# Altium PCB PCB.PcbDoc (part 3 of 10)
Units mil, origin at the board's own origin, x right, y up, seen from the top; angles counter-clockwise.
Board outline 4370.08 x 4921.26 mil, 6 copper layers (Component Side, Ground Plane I, Signal Layer 1, Power Plane, Ground Plane II, Solder Side), stack 57.638 mil thick; 274 components, 415 nets, 1726 pads, 902 vias.
Unrouted connection lines stored in the file: 2.
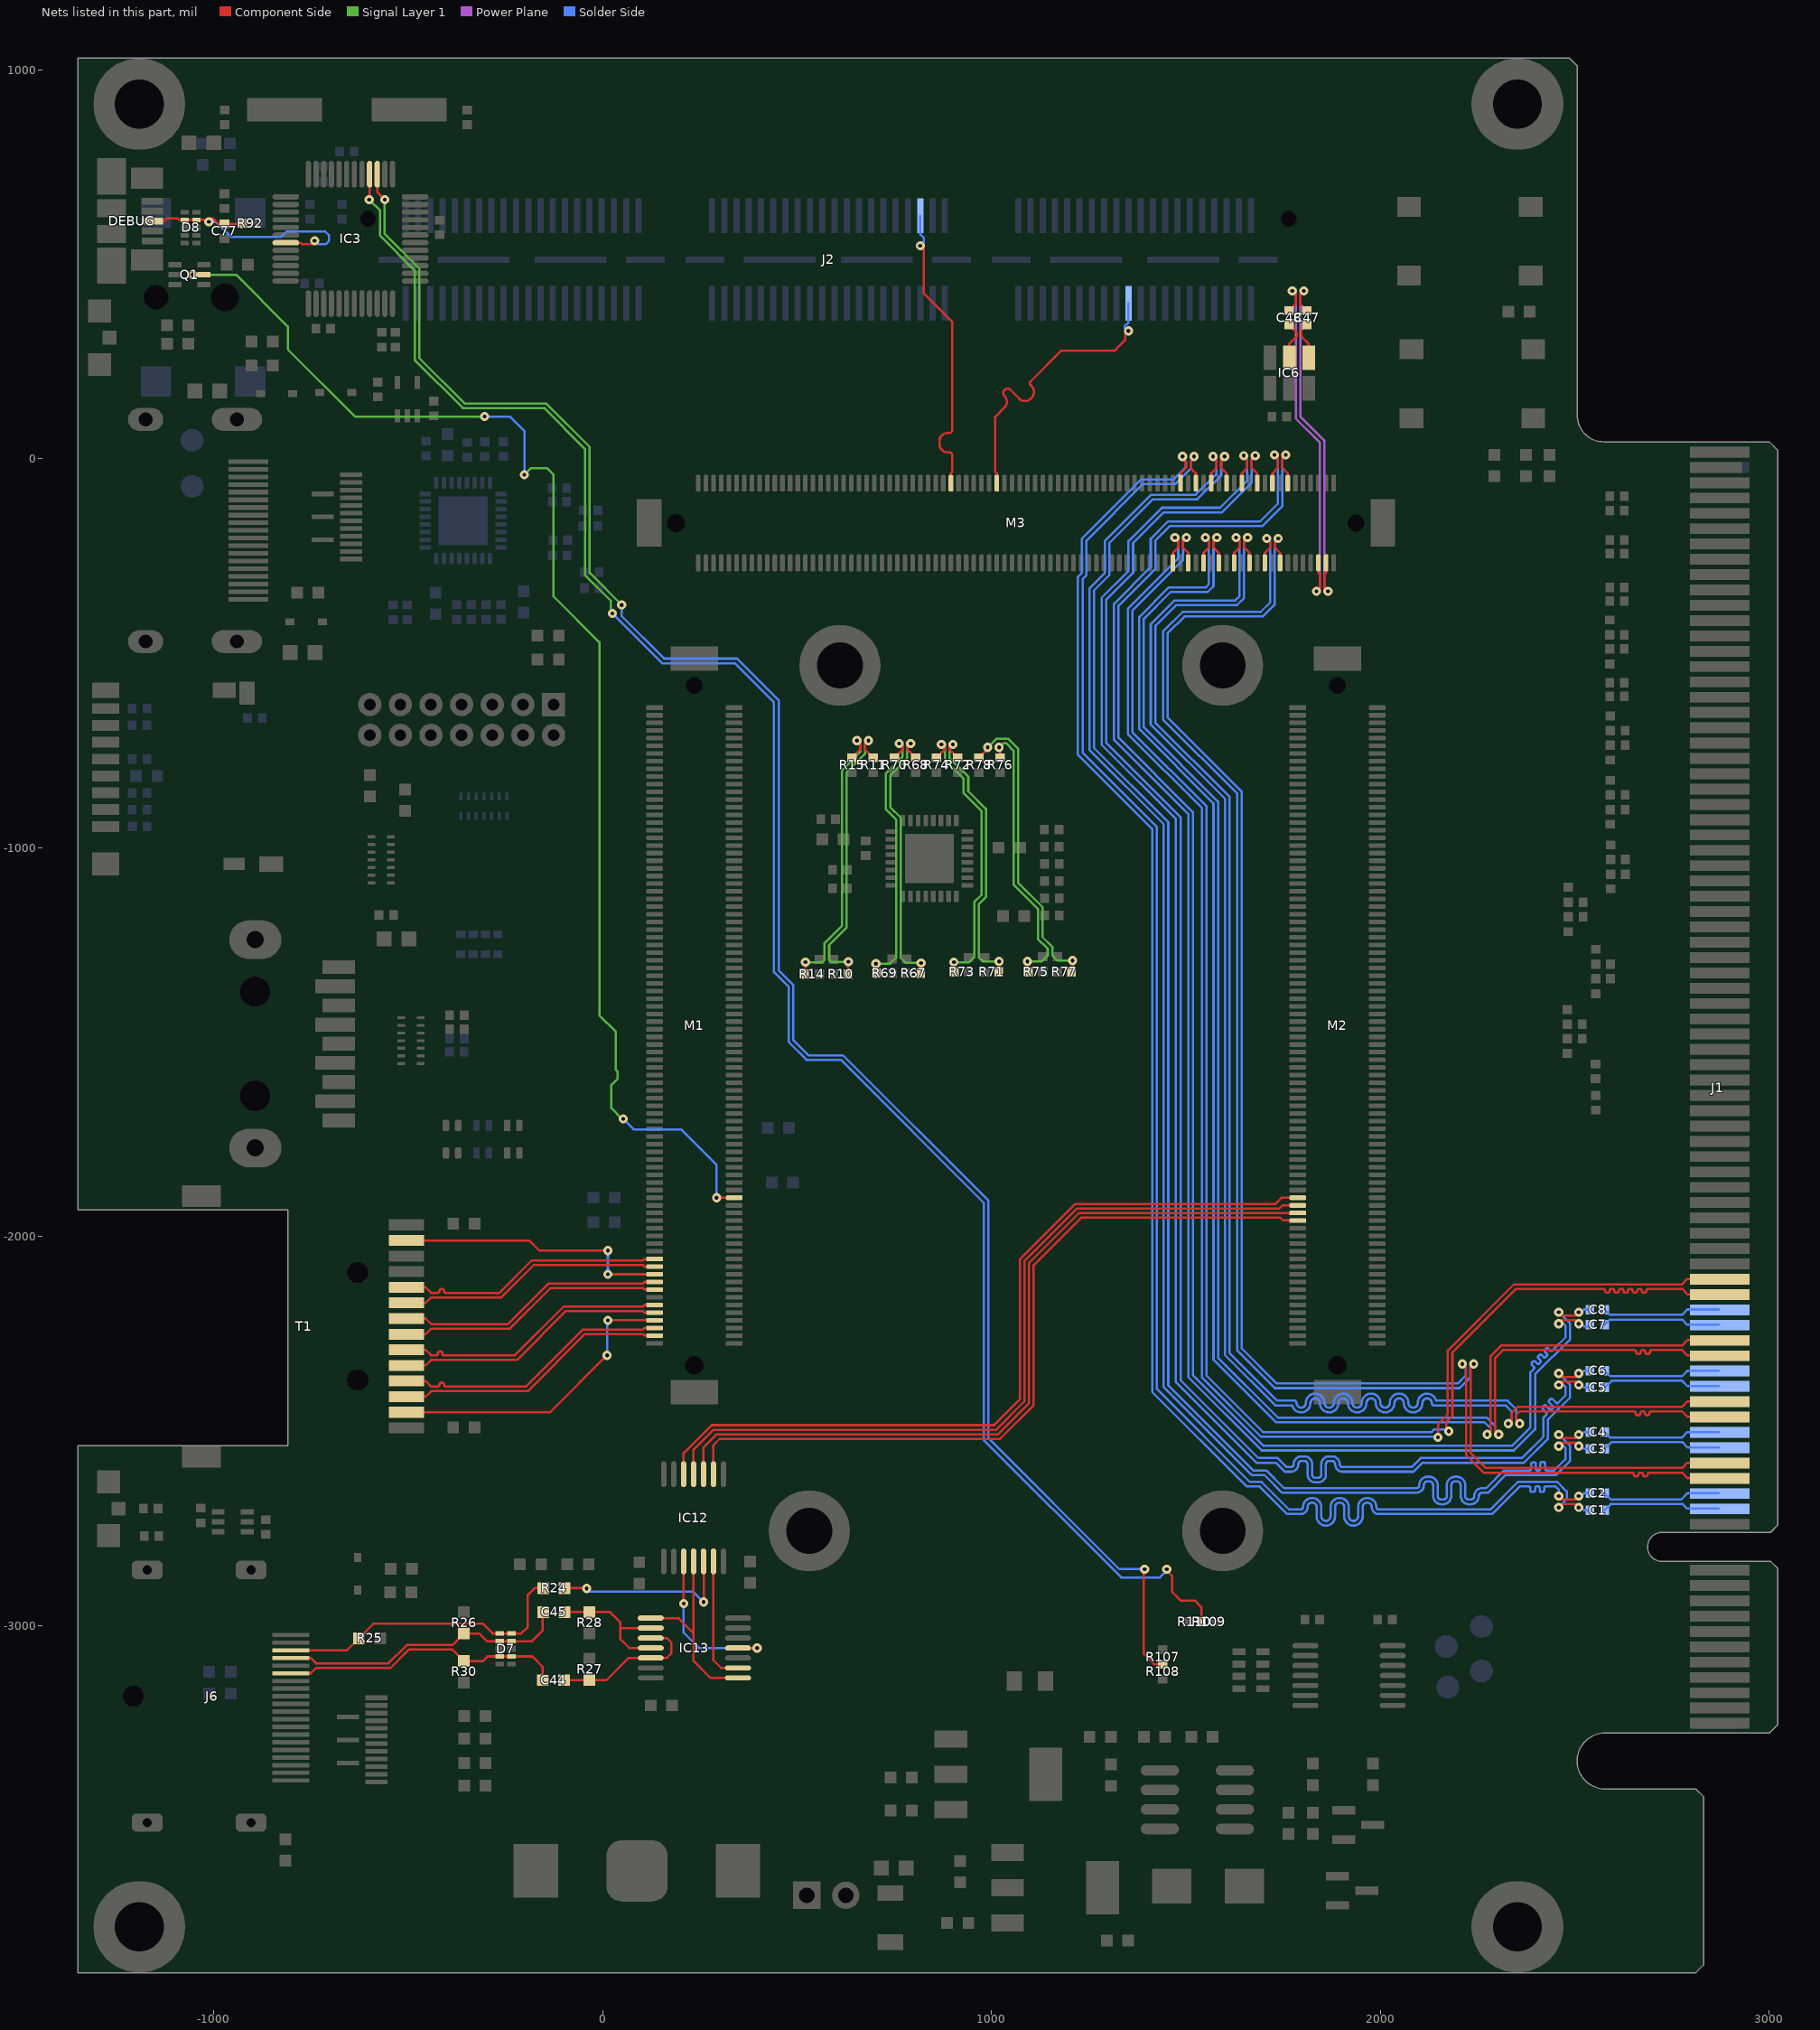
[diagram p7: the nets of this part, all layers, seen from the top]

## Via types
v1: diameter 23.62, hole 9.84, Component Side to Solder Side, 902 vias

## Nets (pads, with @x,y where several pads share a name; then routed paths per layer and width w, separated by ;. In a path a pad name is that pad's centre, name@x,y a point inside that pad or via, vN(x,y) a via of type N, cw(c..) or ccw(c..) an arc to the next point about the centre after c; other vN are vias at no path point) (continued)
DEBUG_USB_D_P: C77.2 D8.4 DEBUG.3 IC3.7 R92.1 | length 714.2
  Component Side w5.91: DEBUG.3@-1157.28,611 -1126.67,611 -1119.78,617.89 -1092.87,617.89 -1088.67,613.69 D8.4@-1074.16,613.69 D8.4@-1043.84,613.69 -1029.67,613.69 -1028.76,614.59 -1012,614.59 -1009,617.59 -1001.37,617.59 -987.67,603.9 C77.2@-972,603.9 R92.1@-926,603.9 ; IC3.7@-814.34,555.16 -776.67,555.16 -772.73,551.22 -745,551.22 v1@-740.11,556.11
  Solder Side w5.91: v1(-1012,608.74) -993.54,608.74 -954.99,570.19 -826.11,570.19 -812.3,584 -713,584 -703,574 -703,560.22 -712,551.22 -731.25,551.22 v1(-740.11,560.08)
DONE: M1.130 Q1.2 | length 3449.3
  Component Side w5.91: v1(-1054,473) Q1.2@-1024.6,473 ; v1(293.31,-1899.61) M1.130@338.58,-1899.61
  Signal Layer 1 w5.91: v1(-1054,473) -942.32,473 -809,339.69 -809,281 -636.27,108.27 v1(-303.15,108.27) ; v1(-200.79,-41.34) -183.45,-24 -143,-24 -125.81,-41.19 -125.81,-354.19 -8,-472 -8,-1430.7 34.45,-1473.15 34.45,-1571.51 39.02,-1576.08 39.02,-1593.21 22.64,-1609.59 22.64,-1669.64 49.85,-1696.85 v1(53.15,-1696.85)
  Solder Side w5.91: v1(-303.15,108.27) -238.19,108.27 -200.79,70.87 v1(-200.79,-41.34) ; v1(53.15,-1696.85) 80.71,-1724.41 202.76,-1724.41 293.31,-1814.96 v1(293.31,-1899.61)
DP0_C2M_N: C8.2 M3.17 | length 4284.9
  Component Side w5.91: M3.17@1722.44,-62.99 1722.44,-37.41 1736.22,-23.63 1736.22,5.91 1732.28,9.84 v1(1727.36,9.84) ; v1(2458.66,-2193.9) 2467.52,-2202.76 2500.98,-2202.76 v1(2509.84,-2193.9)
  Solder Side w5.91: v1(1727.36,9.84) 1736.22,0.98 1736.22,-116.14 1690.94,-161.42 1453.77,-161.42 1409.45,-205.74 1409.45,-278.57 1314.96,-373.06 1314.96,-722.32 1505.91,-913.27 1505.91,-2360.54 1694.58,-2549.21 2108.27,-2549.21 2343.35,-2549.21 2397.64,-2494.92 2397.64,-2353.32 2487.71,-2263.24 2487.71,-2222.95 v1(2458.66,-2193.9) ; v1(2509.84,-2193.9) 2516.71,-2193.9 2523.6,-2187.01 C8.2@2538.98,-2187.01
DP0_C2M_P: C7.2 M3.13 | length 4283.8
  Component Side w5.91: v1(1756.89,9.84) 1751.97,9.84 1748.03,5.91 1748.03,-23.63 1761.81,-37.41 M3.13@1761.81,-62.99 ; v1(2458.66,-2223.43) 2467.52,-2214.57 2500.98,-2214.57 v1(2509.84,-2223.43)
  Solder Side w5.91: v1(1756.89,9.84) 1748.03,0.98 1748.03,-121.03 1695.84,-173.23 1458.66,-173.23 1421.26,-210.63 1421.26,-283.46 1326.77,-377.95 1326.77,-717.43 1517.72,-908.38 1517.72,-2355.65 1699.47,-2537.4 2108.27,-2537.4 2338.45,-2537.4 2385.83,-2490.03 2385.83,-2348.43 2394.46,-2339.79 ccw(c2391.54,-2336.87) 2394.46,-2333.94 2389.7,-2329.18 cw(c2392.62,-2326.26) 2389.7,-2323.34 2392.21,-2320.83 cw(c2395.13,-2323.76) 2398.05,-2320.83 2402.81,-2325.59 ccw(c2405.74,-2322.67) 2408.66,-2325.59 2411.16,-2323.09 ccw(c2408.24,-2320.16) 2411.16,-2317.24 2406.4,-2312.48 cw(c2409.33,-2309.56) 2406.4,-2306.63 2408.91,-2304.13 cw(c2411.83,-2307.05) 2414.76,-2304.13 2419.52,-2308.89 ccw(c2422.44,-2305.97) 2425.36,-2308.89 2427.87,-2306.38 ccw(c2424.94,-2303.46) 2427.87,-2300.54 2423.11,-2295.78 cw(c2426.03,-2292.85) 2423.11,-2289.93 2425.61,-2287.43 cw(c2428.54,-2290.35) 2431.46,-2287.43 2436.22,-2292.19 ccw(c2439.14,-2289.26) 2442.07,-2292.19 2475.9,-2258.35 2475.9,-2227.84 v1@2465.07,-2217.01 ; v1(2509.84,-2223.43) 2516.71,-2223.43 2523.6,-2230.31 C7.2@2538.98,-2230.31
DP0_C_N: C8.1 J1.A26 | length 304.7
  Solder Side w5.91: C8.1@2576.77,-2187.01 2590.55,-2200.79 2775.56,-2200.79 2789.34,-2187.01 J1.A26@2870.08,-2187.01
DP0_C_P: C7.1 J1.A25 | length 304.7
  Solder Side w5.91: C7.1@2576.77,-2226.38 2590.55,-2212.6 2775.56,-2212.6 2789.34,-2226.38 J1.A25@2870.08,-2226.38
DP0_M2C_N: J1.B16 M3.20 | length 4054.9
  Component Side w5.91: M3.20@1702.76,-267.72 1702.76,-242.14 1716.54,-228.36 1716.54,-213.58 v1(1707.68,-204.72) ; v1(2240,-2327) 2232.28,-2334.72 2232.28,-2556.28 2270.49,-2594.49 2775.56,-2594.49 2789.34,-2580.71 J1.B16@2870.08,-2580.71
  Solder Side w5.91: v1(1707.68,-204.72) 1716.54,-213.58 1716.54,-369.33 1692.17,-393.7 1491.6,-393.7 1440.94,-444.35 1440.94,-670.14 1631.89,-861.09 1631.89,-2292.29 1728.6,-2389 2203.4,-2389 2231.14,-2361.26 2231.14,-2335.86 v1(2240,-2327)
DP0_M2C_P: J1.B15 M3.16 | length 4059.1
  Component Side w5.91: v1(1737.2,-204.72) 1728.35,-213.58 1728.35,-228.36 1742.13,-242.14 M3.16@1742.13,-267.72 ; v1(2210.47,-2327) 2217.01,-2333.54 2217.01,-2334.65 2220.47,-2338.11 2220.47,-2561.18 2265.6,-2606.3 2646.89,-2606.3 cw(c2646.89,-2610.98) 2651.57,-2610.98 ccw(c2656.89,-2610.98) 2656.89,-2616.3 2658.07,-2616.3 ccw(c2658.07,-2610.98) 2663.39,-2610.98 cw(c2668.07,-2610.98) 2668.07,-2606.3 2670.51,-2606.3 cw(c2670.51,-2610.98) 2675.2,-2610.98 ccw(c2680.51,-2610.98) 2680.51,-2616.3 2681.69,-2616.3 ccw(c2681.69,-2610.98) 2687.01,-2610.98 cw(c2691.69,-2610.98) 2691.69,-2606.3 2775.56,-2606.3 2789.34,-2620.08 J1.B15@2870.08,-2620.08
  Solder Side w5.91: v1(1737.2,-204.72) 1728.35,-213.58 1728.35,-374.22 1697.06,-405.51 1496.49,-405.51 1452.76,-449.24 1452.76,-665.25 1643.7,-856.19 1643.7,-2285.43 1643.7,-2287.4 1733.49,-2377.19 2198.51,-2377.19 2219.33,-2356.36 2219.33,-2335.86 v1(2210.47,-2327)
DP1_C2M_N: C6.2 M3.25 | length 4285
  Component Side w5.91: M3.25@1643.7,-62.99 1643.7,-37.41 1657.48,-23.63 1657.48,-0.98 v1(1648.62,7.87) ; v1(2458.66,-2351.38) 2467.52,-2360.24 2500.98,-2360.24 v1(2509.84,-2351.38)
  Solder Side w5.91: v1(1648.62,7.87) 1657.48,-0.98 1657.48,-56.13 1587.63,-125.98 1438.02,-125.98 1352.36,-211.64 1352.36,-288.41 1283.46,-357.31 1283.46,-735.37 1474.41,-926.32 1474.41,-2373.59 1681.53,-2580.71 1731,-2580.71 1754.1,-2603.81 1769.74,-2603.81 ccw(c1769.74,-2584.52) 1789.03,-2584.52 cw(c1797.3,-2584.52) 1797.3,-2576.25 1804.38,-2576.25 cw(c1804.38,-2584.52) 1812.65,-2584.52 1812.65,-2611.29 ccw(c1832.73,-2611.29) 1832.73,-2631.37 1839.82,-2631.37 ccw(c1839.82,-2611.29) 1859.9,-2611.29 1859.9,-2584.52 cw(c1868.16,-2584.52) 1868.16,-2576.25 1875.25,-2576.25 cw(c1875.25,-2584.52) 1883.52,-2584.52 ccw(c1902.81,-2584.52) 1902.81,-2603.81 2085.17,-2603.81 2087.98,-2601 2108.27,-2580.71 2369.07,-2580.71 2431.1,-2518.67 2431.1,-2469.46 2487.71,-2412.85 2487.71,-2380.43 v1(2458.66,-2351.38) ; v1(2509.84,-2351.38) 2516.71,-2351.38 2523.6,-2344.49 C6.2@2538.98,-2344.49
DP1_C2M_P: C5.2 M3.21 | length 4285
  Component Side w5.91: v1(1678.15,7.87) 1669.29,-0.98 1669.29,-23.63 1683.07,-37.41 M3.21@1683.07,-62.99 ; v1(2458.66,-2380.91) 2467.52,-2372.05 2500.98,-2372.05 v1(2509.84,-2380.91)
  Solder Side w5.91: v1(1678.15,7.87) 1669.29,-0.98 1669.29,-61.02 1592.52,-137.8 1442.91,-137.8 1364.17,-216.54 1364.17,-293.31 1295.28,-362.2 1295.28,-730.48 1486.22,-921.42 1486.22,-2368.69 1686.42,-2568.9 1735.89,-2568.9 1758.99,-2592 1769.74,-2592 ccw(c1769.74,-2584.52) 1777.22,-2584.52 cw(c1797.3,-2584.52) 1797.3,-2564.44 1804.38,-2564.44 cw(c1804.38,-2584.52) 1824.46,-2584.52 1824.46,-2611.29 ccw(c1832.73,-2611.29) 1832.73,-2619.56 1839.82,-2619.56 ccw(c1839.82,-2611.29) 1848.08,-2611.29 1848.08,-2584.52 cw(c1868.16,-2584.52) 1868.16,-2564.44 1875.25,-2564.44 cw(c1875.25,-2584.52) 1895.33,-2584.52 ccw(c1902.81,-2584.52) 1902.81,-2592 2080.27,-2592 2103.38,-2568.9 2364.17,-2568.9 2419.29,-2513.78 2419.29,-2464.57 2426.45,-2457.41 ccw(c2423.53,-2454.49) 2426.45,-2451.56 2417.45,-2442.56 cw(c2420.37,-2439.64) 2417.45,-2436.71 2419.95,-2434.21 cw(c2422.88,-2437.13) 2425.8,-2434.21 2434.8,-2443.21 ccw(c2437.72,-2440.29) 2440.65,-2443.21 2443.15,-2440.71 ccw(c2440.23,-2437.78) 2443.15,-2434.86 2434.15,-2425.86 cw(c2437.07,-2422.93) 2434.15,-2420.01 2436.66,-2417.51 cw(c2439.58,-2420.43) 2442.5,-2417.51 2451.5,-2426.51 ccw(c2454.43,-2423.58) 2457.35,-2426.51 2475.9,-2407.96 2475.9,-2385.32 v1@2465.07,-2374.49 ; v1(2509.84,-2380.91) 2516.71,-2380.91 2523.6,-2387.8 C5.2@2538.98,-2387.8
DP1_C_N: C6.1 J1.A22 | length 304.7
  Solder Side w5.91: C6.1@2576.77,-2344.49 2590.55,-2358.27 2775.56,-2358.27 2789.34,-2344.49 J1.A22@2870.08,-2344.49
DP1_C_P: C5.1 J1.A21 | length 306.4
  Solder Side w5.91: C5.1@2576.77,-2387.8 2594.49,-2370.08 2775.56,-2370.08 2789.34,-2383.86 J1.A21@2870.08,-2383.86
DP1_M2C_N: J1.B20 M3.28 | length 4056.4
  Component Side w5.91: M3.28@1624.02,-267.72 1624.02,-242.14 1637.8,-228.36 1637.8,-211.61 v1(1628.94,-202.76) ; v1(2328.74,-2480.31) 2337.6,-2471.46 2337.6,-2452.8 2353.39,-2437.01 2775.56,-2437.01 2789.34,-2423.23 J1.B20@2870.08,-2423.23
  Solder Side w5.91: v1(1628.94,-202.76) 1637.8,-211.61 1637.8,-353.35 1626.97,-364.17 1470.47,-364.17 1409.45,-425.2 1409.45,-683.19 1600.39,-874.13 1600.39,-2304.1 1729.63,-2433.34 1773.08,-2433.34 ccw(c1796.33,-2427.3) 1820.35,-2427.3 cw(c1832.3,-2427.3) 1844.24,-2427.3 ccw(c1868.27,-2427.3) 1892.29,-2427.3 cw(c1904.23,-2427.3) 1916.18,-2427.3 ccw(c1940.2,-2427.3) 1964.23,-2427.3 cw(c1976.17,-2427.3) 1988.12,-2427.3 ccw(c2012.14,-2427.3) 2036.16,-2427.3 cw(c2048.11,-2427.3) 2060.05,-2427.3 ccw(c2084.08,-2427.3) 2108.1,-2427.3 cw(c2120.05,-2427.3) 2131.99,-2427.3 ccw(c2138.03,-2427.3) 2138.03,-2433.34 2322.12,-2433.34 2337.6,-2448.82 2337.6,-2471.46 v1(2328.74,-2480.31)
DP1_M2C_P: J1.B19 M3.24 | length 4059.6
  Component Side w5.91: v1(1658.46,-202.76) 1649.61,-211.61 1649.61,-228.36 1663.39,-242.14 M3.24@1663.39,-267.72 ; v1(2358.27,-2480.31) 2349.41,-2471.46 2349.41,-2457.69 2358.28,-2448.82 2651.7,-2448.82 cw(c2651.7,-2453.5) 2656.38,-2453.5 ccw(c2661.7,-2453.5) 2661.7,-2458.82 2662.88,-2458.82 ccw(c2662.88,-2453.5) 2668.19,-2453.5 cw(c2672.88,-2453.5) 2672.88,-2448.82 2675.32,-2448.82 cw(c2675.32,-2453.5) 2680.01,-2453.5 ccw(c2685.32,-2453.5) 2685.32,-2458.82 2686.5,-2458.82 ccw(c2686.5,-2453.5) 2691.82,-2453.5 cw(c2696.5,-2453.5) 2696.5,-2448.82 2775.56,-2448.82 2789.34,-2462.6 J1.B19@2870.08,-2462.6
  Solder Side w5.91: v1(1658.46,-202.76) 1649.61,-211.61 1649.61,-358.24 1631.86,-375.98 1475.36,-375.98 1421.26,-430.09 1421.26,-678.29 1612.21,-869.24 1612.21,-2299.21 1734.25,-2421.26 1778.34,-2421.26 cw(c1778.34,-2427.3) 1784.38,-2427.3 ccw(c1796.33,-2427.3) 1808.27,-2427.3 cw(c1832.3,-2427.3) 1856.32,-2427.3 ccw(c1868.27,-2427.3) 1880.21,-2427.3 cw(c1904.23,-2427.3) 1928.26,-2427.3 ccw(c1940.2,-2427.3) 1952.15,-2427.3 cw(c1976.17,-2427.3) 2000.2,-2427.3 ccw(c2012.14,-2427.3) 2024.09,-2427.3 cw(c2048.11,-2427.3) 2072.13,-2427.3 ccw(c2084.08,-2427.3) 2096.02,-2427.3 cw(c2120.05,-2427.3) 2143.3,-2421.26 2326.74,-2421.26 2349.41,-2443.93 2349.41,-2471.46 v1(2358.27,-2480.31)
DP2_C2M_N: C4.2 M3.33 | length 4286.6
  Component Side w5.91: M3.33@1564.96,-62.99 1564.96,-37.41 1578.74,-23.63 1578.74,-2.95 v1(1569.88,5.91) ; v1(2458.66,-2508.86) 2467.52,-2517.72 2500.98,-2517.72 v1(2509.84,-2508.86)
  Solder Side w5.91: v1(1569.88,5.91) 1578.74,-2.95 1578.74,-38.41 1524.64,-92.52 1410.46,-92.52 1291.34,-211.64 1291.34,-294.32 1251.97,-333.69 1251.97,-748.42 1442.91,-939.36 1442.91,-2386.63 1668.49,-2612.2 1701.5,-2612.2 1747.28,-2657.99 1795,-2657.99 2092.2,-2657.99 ccw(c2092.2,-2638.5) 2111.69,-2638.5 cw(c2121.73,-2638.5) 2121.73,-2628.46 2125.28,-2628.46 cw(c2125.28,-2638.5) 2135.31,-2638.5 2135.31,-2665.66 ccw(c2157.17,-2665.66) 2157.17,-2687.51 2160.71,-2687.51 ccw(c2160.71,-2665.66) 2182.56,-2665.66 2182.56,-2638.5 cw(c2192.6,-2638.5) 2192.6,-2628.46 2196.14,-2628.46 cw(c2196.14,-2638.5) 2206.18,-2638.5 2206.18,-2665.66 ccw(c2228.03,-2665.66) 2228.03,-2687.51 2231.57,-2687.51 ccw(c2231.57,-2665.66) 2253.43,-2665.66 cw(c2261.1,-2665.66) 2261.1,-2657.99 2276.54,-2657.99 2322.32,-2612.2 2451.74,-2612.2 2487.71,-2576.24 2487.71,-2537.91 v1(2458.66,-2508.86) ; v1(2509.84,-2508.86) 2516.71,-2508.86 2523.6,-2501.97 C4.2@2538.98,-2501.97
DP2_C2M_P: C3.2 M3.29 | length 4286.6
  Component Side w5.91: v1(1599.41,5.91) 1590.55,-2.95 1590.55,-23.63 1604.33,-37.41 M3.29@1604.33,-62.99 ; v1(2458.66,-2538.39) 2467.52,-2529.53 2500.98,-2529.53 v1(2509.84,-2538.39)
  Solder Side w5.91: v1(1599.41,5.91) 1590.55,-2.95 1590.55,-43.31 1529.53,-104.33 1415.35,-104.33 1303.15,-216.54 1303.15,-299.21 1263.78,-338.58 1263.78,-743.52 1454.73,-934.47 1454.73,-2381.74 1673.38,-2600.39 1706.39,-2600.39 1752.18,-2646.18 1795,-2646.18 2092.2,-2646.18 ccw(c2092.2,-2638.5) 2099.88,-2638.5 cw(c2121.73,-2638.5) 2121.73,-2616.65 2125.28,-2616.65 cw(c2125.28,-2638.5) 2147.13,-2638.5 2147.13,-2665.66 ccw(c2157.17,-2665.66) 2157.17,-2675.7 2160.71,-2675.7 ccw(c2160.71,-2665.66) 2170.75,-2665.66 2170.75,-2638.5 cw(c2192.6,-2638.5) 2192.6,-2616.65 2196.14,-2616.65 cw(c2196.14,-2638.5) 2217.99,-2638.5 2217.99,-2665.66 ccw(c2228.03,-2665.66) 2228.03,-2675.7 2231.57,-2675.7 ccw(c2231.57,-2665.66) 2241.61,-2665.66 cw(c2261.1,-2665.66) 2261.1,-2646.18 2271.65,-2646.18 2317.43,-2600.39 2383.67,-2600.39 ccw(c2383.67,-2596.26) 2387.8,-2596.26 2387.8,-2583.96 cw(c2391.93,-2583.96) 2391.93,-2579.82 2395.48,-2579.82 cw(c2395.48,-2583.96) 2399.61,-2583.96 2399.61,-2596.26 ccw(c2403.75,-2596.26) 2403.75,-2600.39 2407.29,-2600.39 ccw(c2407.29,-2596.26) 2411.42,-2596.26 2411.42,-2583.1 cw(c2415.56,-2583.1) 2415.56,-2578.97 2419.1,-2578.97 cw(c2419.1,-2583.1) 2423.23,-2583.1 2423.23,-2596.26 ccw(c2427.37,-2596.26) 2427.37,-2600.39 2446.85,-2600.39 2475.9,-2571.34 2475.9,-2542.8 v1@2465.07,-2531.97 ; v1(2509.84,-2538.39) 2516.71,-2538.39 2523.6,-2545.28 C3.2@2538.98,-2545.28
DP2_C_N: C4.1 J1.A18 | length 304.7
  Solder Side w5.91: C4.1@2576.77,-2501.97 2590.55,-2515.75 2759.84,-2515.75 2775.56,-2515.75 2789.34,-2501.97 J1.A18@2870.08,-2501.97
DP2_C_P: C3.1 J1.A17 | length 306.4
  Solder Side w5.91: C3.1@2576.77,-2545.28 2594.49,-2527.56 2759.84,-2527.56 2775.56,-2527.56 2789.34,-2541.34 J1.A17@2870.08,-2541.34
DP2_M2C_N: J1.B24 M3.36 | length 4051.5
  Component Side w3.94: J1.B24@2870.08,-2265.75 J1.B24@2918.31,-2265.75
  Component Side w5.91: M3.36@1545.28,-267.72 1545.28,-242.14 1559.06,-228.36 1559.06,-211.61 v1(1550.2,-202.76) ; v1(2274.61,-2507.92) 2283.46,-2499.06 2283.46,-2306.13 2310.07,-2279.53 2775.56,-2279.53 2789.34,-2265.75 J1.B24@2870.08,-2265.75
  Solder Side w5.91: v1(1550.2,-202.76) 1559.06,-211.61 1559.06,-322.83 1551.18,-330.71 1455.74,-330.71 1379.92,-406.53 1379.92,-695.42 1570.87,-886.36 1570.87,-2315.89 1731.35,-2476.38 2266.98,-2476.38 2283.46,-2492.86 2283.46,-2499.06 v1@2282.01,-2500.52
DP2_M2C_P: J1.B23 M3.32 | length 4066.3
  Component Side w3.94: J1.B23@2870.08,-2305.12 J1.B23@2918.31,-2305.12
  Component Side w5.91: v1(1579.72,-202.76) 1570.87,-211.61 1570.87,-228.36 1584.65,-242.14 M3.32@1584.65,-267.72 ; v1(2304.13,-2507.92) 2295.28,-2499.06 2295.28,-2311.02 2314.96,-2291.34 2652.8,-2291.34 cw(c2652.8,-2296.02) 2657.48,-2296.02 ccw(c2662.8,-2296.02) 2662.8,-2301.34 2663.98,-2301.34 ccw(c2663.98,-2296.02) 2669.29,-2296.02 cw(c2673.98,-2296.02) 2673.98,-2291.34 2676.42,-2291.34 cw(c2676.42,-2296.02) 2681.1,-2296.02 ccw(c2686.42,-2296.02) 2686.42,-2301.34 2687.6,-2301.34 ccw(c2687.6,-2296.02) 2692.91,-2296.02 cw(c2697.6,-2296.02) 2697.6,-2291.34 2775.56,-2291.34 2789.34,-2305.12 J1.B23@2870.08,-2305.12
  Solder Side w5.91: v1(1579.72,-202.76) 1570.87,-211.61 1570.87,-327.73 1556.07,-342.52 1460.63,-342.52 1391.73,-411.42 1391.73,-690.52 1582.68,-881.47 1582.68,-2311 1736.24,-2464.57 2273.57,-2464.57 2295.28,-2486.28 2295.28,-2499.06 v1(2304.13,-2507.92)
DP3_C2M_N: C2.2 M3.41 | length 4285.5
  Component Side w5.91: M3.41@1486.22,-62.99 1486.22,-37.41 1500,-23.63 1500,-7.87 v1@1491.14,0.98 ; v1(2458.66,-2666.34) 2467.52,-2675.2 2500.98,-2675.2 v1(2509.84,-2666.34)
  Solder Side w5.91: v1@1491.14,0.98 1500,-7.87 1500,-21.65 1468.5,-53.15 1384.87,-53.15 1232.28,-205.74 1232.28,-294.32 1222.44,-304.16 1222.44,-760.65 1413.39,-951.59 1413.39,-2398.86 1656.25,-2641.73 1689.33,-2641.73 1760.41,-2712.81 1794.91,-2712.81 ccw(c1794.91,-2695.09) 1812.62,-2695.09 cw(c1824.43,-2695.09) 1824.43,-2683.28 cw(c1824.43,-2695.09) 1836.24,-2695.09 1836.24,-2718.72 ccw(c1859.87,-2718.72) 1859.87,-2742.34 ccw(c1859.87,-2718.72) 1883.49,-2718.72 1883.49,-2695.09 cw(c1895.3,-2695.09) 1895.3,-2683.28 cw(c1895.3,-2695.09) 1907.11,-2695.09 1907.11,-2718.72 ccw(c1930.73,-2718.72) 1930.73,-2742.34 ccw(c1930.73,-2718.72) 1954.35,-2718.72 1954.35,-2695.09 cw(c1966.17,-2695.09) 1966.17,-2683.28 cw(c1966.17,-2695.09) 1977.98,-2695.09 ccw(c1995.69,-2695.09) 1995.69,-2712.81 2287.13,-2712.81 2358.21,-2641.73 2381.69,-2641.73 cw(c2381.69,-2645.87) 2385.83,-2645.87 2385.83,-2651.59 ccw(c2389.96,-2651.59) 2389.96,-2655.72 2393.5,-2655.72 ccw(c2393.5,-2651.59) 2397.64,-2651.59 2397.64,-2645.87 cw(c2401.77,-2645.87) 2401.77,-2641.73 2405.32,-2641.73 cw(c2405.32,-2645.87) 2409.45,-2645.87 2409.45,-2651.59 ccw(c2413.58,-2651.59) 2413.58,-2655.72 2417.13,-2655.72 ccw(c2417.13,-2651.59) 2421.26,-2651.59 2421.26,-2645.87 cw(c2425.39,-2645.87) 2425.39,-2641.73 2449.83,-2641.73 2458.66,-2650.56 v1(2458.66,-2666.34) ; v1(2509.84,-2666.34) 2516.71,-2666.34 2523.6,-2659.45 C2.2@2538.98,-2659.45
  other v1: 1491.14,5.91
DP3_C2M_P: C1.2 M3.37 | length 4283.9
  Component Side w5.91: v1@1520.67,0.98 1511.81,-7.87 1511.81,-23.63 1525.59,-37.41 M3.37@1525.59,-62.99 ; v1(2458.66,-2695.87) 2467.52,-2687.01 2500.98,-2687.01 v1(2509.84,-2695.87)
  Solder Side w5.91: v1@1520.67,0.98 1511.81,-7.87 1511.81,-26.55 1473.4,-64.96 1389.76,-64.96 1244.09,-210.63 1244.09,-299.21 1234.25,-309.06 1234.25,-755.76 1425.2,-946.7 1425.2,-2391.2 1663.92,-2629.92 1694.22,-2629.92 1765.3,-2701 1794.91,-2701 ccw(c1794.91,-2695.09) 1800.81,-2695.09 cw(c1824.43,-2695.09) 1824.43,-2671.47 cw(c1824.43,-2695.09) 1848.06,-2695.09 1848.06,-2718.72 ccw(c1859.87,-2718.72) 1859.87,-2730.53 ccw(c1859.87,-2718.72) 1871.68,-2718.72 1871.68,-2695.09 cw(c1895.3,-2695.09) 1895.3,-2671.47 cw(c1895.3,-2695.09) 1918.92,-2695.09 1918.92,-2718.72 ccw(c1930.73,-2718.72) 1930.73,-2730.53 ccw(c1930.73,-2718.72) 1942.54,-2718.72 1942.54,-2695.09 cw(c1966.17,-2695.09) 1966.17,-2671.47 cw(c1966.17,-2695.09) 1989.79,-2695.09 ccw(c1995.69,-2695.09) 1995.69,-2701 2282.24,-2701 2353.32,-2629.92 2381.69,-2629.92 2454.72,-2629.92 2479.33,-2654.53 2479.33,-2674.9 2458.66,-2695.57 v1(2458.66,-2695.87) ; v1(2509.84,-2695.87) 2516.71,-2695.87 2523.6,-2702.76 C1.2@2538.98,-2702.76
  other v1: 1520.67,5.91
DP3_C_N: C2.1 J1.A14 | length 306.4
  Solder Side w5.91: C2.1@2576.77,-2659.45 2592.52,-2675.2 2773.6,-2675.2 2789.34,-2659.45 J1.A14@2870.08,-2659.45
DP3_C_P: C1.1 J1.A13 | length 304.7
  Solder Side w5.91: C1.1@2576.77,-2702.76 2592.52,-2687.01 2777.53,-2687.01 2789.34,-2698.82 J1.A13@2870.08,-2698.82
DP3_M2C_N: J1.B28 M3.44 | length 4050.1
  Component Side w5.91: M3.44@1466.54,-267.72 1466.54,-242.14 1480.32,-228.36 1480.32,-206.69 1476.38,-202.76 v1(1471.46,-202.76) ; v1(2147.64,-2515.75) 2148.62,-2514.76 2148.62,-2480.34 2173.23,-2455.74 2173.23,-2292.35 2343.53,-2122.05 2775.56,-2122.05 2789.34,-2108.27 J1.B28@2870.08,-2108.27
  Solder Side w5.91: v1(1471.46,-202.76) 1480.32,-211.61 1480.32,-255.91 1350.39,-385.83 1350.39,-707.65 1541.34,-898.59 1541.34,-2344.56 1541.34,-2362.04 1693.08,-2513.78 1759,-2513.78 2108.27,-2513.78 2145.67,-2513.78 v1(2147.64,-2515.75)
DP3_M2C_P: J1.B27 M3.40 | length 4064.3
  Component Side w5.91: v1@1492.13,-206.69 1492.13,-228.36 1505.91,-242.14 M3.40@1505.91,-267.72 ; v1@2169.29,-2494.09 2169.29,-2476.38 2185.04,-2460.63 2185.04,-2297.24 2348.43,-2133.86 2572.95,-2133.86 cw(c2572.95,-2138.54) 2577.64,-2138.54 ccw(c2582.95,-2138.54) 2582.95,-2143.86 2584.13,-2143.86 ccw(c2584.13,-2138.54) 2589.45,-2138.54 cw(c2594.13,-2138.54) 2594.13,-2133.86 2596.57,-2133.86 cw(c2596.57,-2138.54) 2601.26,-2138.54 ccw(c2606.57,-2138.54) 2606.57,-2143.86 2607.76,-2143.86 ccw(c2607.76,-2138.54) 2613.07,-2138.54 cw(c2617.76,-2138.54) 2617.76,-2133.86 2620.2,-2133.86 cw(c2620.2,-2138.54) 2624.88,-2138.54 ccw(c2630.2,-2138.54) 2630.2,-2143.86 2631.38,-2143.86 ccw(c2631.38,-2138.54) 2636.69,-2138.54 cw(c2641.38,-2138.54) 2641.38,-2133.86 2643.82,-2133.86 cw(c2643.82,-2138.54) 2648.5,-2138.54 ccw(c2653.82,-2138.54) 2653.82,-2143.86 2655,-2143.86 ccw(c2655,-2138.54) 2660.31,-2138.54 cw(c2665,-2138.54) 2665,-2133.86 2667.44,-2133.86 cw(c2667.44,-2138.54) 2672.13,-2138.54 ccw(c2677.44,-2138.54) 2677.44,-2143.86 2678.62,-2143.86 ccw(c2678.62,-2138.54) 2683.94,-2138.54 cw(c2688.62,-2138.54) 2688.62,-2133.86 2775.56,-2133.86 2789.34,-2147.64 J1.B27@2870.08,-2147.64
  Solder Side w5.91: v1(1500.98,-202.76) 1492.13,-211.61 1492.13,-260.8 1362.2,-390.72 1362.2,-702.76 1553.15,-893.7 1553.15,-2357.15 1697.97,-2501.97 2131.89,-2501.97 2138.78,-2495.08 2171.08,-2495.08 v1(2176,-2500)
DP_AUX_C_N: C45.2 D7.4 J6.17 R26.1 | length 753.9
  Component Side w5.91: J6.17@-801.18,-3082.68 -750.02,-3082.68 -736.24,-3096.46 -550.11,-3096.46 -502.86,-3049.21 -385.89,-3049.21 R26.1@-356.3,-3019.63 -316.99,-3019.63 -297.3,-3039.32 D7.4@-264.16,-3039.32 D7.4@-233.84,-3039.32 -181.13,-3039.32 -153.48,-3011.67 C45.2@-153.48,-2962.6
DP_AUX_C_P: C44.2 D7.2 J6.15 R30.2 | length 735.5
  Component Side w5.91: J6.15@-801.18,-3122.05 -750.02,-3122.05 -736.24,-3108.27 -545.22,-3108.27 -497.97,-3061.02 -385.89,-3061.02 R30.2@-356.3,-3090.61 -307.15,-3090.61 -295.22,-3078.69 D7.2@-264.16,-3078.69 D7.2@-233.84,-3078.69 -180.31,-3078.69 -154,-3105 -154,-3139.25 C44.2@-153.48,-3139.76
DP_AUX_IN_LS: IC12.10 IC13.4 | length 453.3
  Component Side w5.91: v1(208.66,-2942.91) IC12.10@208.66,-2834.65 ; IC13.4@348.43,-3057.09 v1@405.51,-3057.09
  Solder Side w5.91: v1(208.66,-2942.91) 208.66,-3017.72 248.03,-3057.09 v1@405.51,-3057.09
  other v1: 397.64,-3057.09
DP_AUX_IN_M: IC12.5 M2.129 | length 2115.8
  Component Side w5.91: IC12.5@208.66,-2610.24 208.66,-2556.13 280.54,-2484.25 1006.98,-2484.25 1072.83,-2418.39 1072.83,-2058.16 1215.64,-1915.35 1730.32,-1915.35 1746.06,-1899.61 M2.129@1787.4,-1899.61
DP_AUX_N: C45.1 IC13.9 IC13.11 R28.1 | length 363.9
  Component Side w5.91: C45.1@-97.5,-2964.63 R28.1@-33.46,-2964.63 19.74,-2964.63 45.28,-2990.16 45.28,-3033.46 68.9,-3057.09 IC13.11@124.02,-3057.09 ; 45.28,-3005.91 IC13.9@124.02,-3005.91
DP_AUX_OE_LS: IC12.11 IC13.1 IC13.8 | length 514.6
  Component Side w5.91: IC13.8@124.02,-2980.32 194.88,-2980.32 234.25,-3019.68 ; IC12.11@234.25,-2834.65 234.25,-3019.68 ; IC13.1@348.43,-3133.86 277.5,-3133.86 234.25,-3090.61 234.25,-3019.68
DP_AUX_OE_M: IC12.4 M2.131 | length 2087.3
  Component Side w5.91: IC12.4@234.25,-2610.24 234.25,-2547.24 285.43,-2496.06 1011.87,-2496.06 1084.65,-2423.29 1084.65,-2063.05 1220.53,-1927.17 1740.16,-1927.17 1748.03,-1919.29 M2.131@1787.4,-1919.29
DP_AUX_OUT_LS: IC12.13 IC13.2 | length 325.1
  Component Side w5.91: IC12.13@285.43,-2834.65 285.43,-3088.58 305.12,-3108.27 IC13.2@348.43,-3108.27
DP_AUX_OUT_M: IC12.2 M2.135 | length 2033.2
  Component Side w5.91: IC12.2@285.43,-2610.24 285.43,-2535.43 301.18,-2519.69 1021.65,-2519.69 1108.27,-2433.07 1108.27,-2072.83 1230.32,-1950.79 1742.13,-1950.79 1749.02,-1957.68 1786.42,-1957.68 M2.135@1787.4,-1958.66
DP_AUX_P: C44.1 IC13.10 IC13.12 R27.2 | length 389.8
  Component Side w5.91: C44.1@-98.48,-3139.76 C44.1@-98.48,-3139.76 R27.2@-33.46,-3139.7 9.9,-3139.7 66.93,-3082.68 IC13.12@124.02,-3082.68 165.35,-3082.68 177.17,-3070.87 177.17,-3043.37 165.3,-3031.5 IC13.10@124.02,-3031.5
DP_HP_C: D7.5 J6.18 R24.1 R25.2 | length 783.7
  Component Side w5.91: J6.18@-801.18,-3062.99 -657.36,-3062.99 R25.2@-626.56,-3032.19 -589.37,-2995 -307.15,-2995 -282.52,-3019.63 D7.5@-264.16,-3019.63 D7.5@-233.84,-3019.63 -208.65,-3019.63 -192,-3002.98 -192,-2920.5 -174.5,-2903 R24.1@-152.5,-2903
DP_HPD: IC12.12 R24.2 | length 476.8
  Component Side w5.91: R24.2@-97.5,-2903 -42,-2903 v1(-41,-2904) ; IC12.12@259.84,-2834.65 260,-2834.8 v1(260,-2939)
  Solder Side w5.91: v1(-41,-2904) -32.66,-2912.34 233.34,-2912.34 v1(260,-2939)
DP_HPD_M: IC12.3 M2.133 | length 2057
  Component Side w5.91: IC12.3@259.84,-2610.24 259.84,-2541.34 293.31,-2507.87 1016.76,-2507.87 1096.46,-2428.18 1096.46,-2067.94 1225.42,-1938.98 M2.133@1787.4,-1938.98
DUMMY_1_N: R14.2 R15.1 | length 734
  Component Side w5.91: R14.2@519.45,-1325 521.65,-1322.8 v1(521.65,-1294.15) ; R15.1@641.79,-768.5 663.02,-747.27 663.02,-732.28
  Signal Layer 1 w5.91: v1(521.65,-1294.15) 564.77,-1294.15 570.92,-1288 570.92,-1245.08 616,-1200 616,-800.48 663.02,-753.46 663.02,-733.27 v1(654.16,-724.41)
DUMMY_1_P: R10.2 R11.1 | length 734.1
  Component Side w5.91: R10.2@631.25,-1325 631.25,-1293.75 v1(632,-1293) ; 674.83,-732.28 674.83,-747.27 R11.1@696.06,-768.5
  Signal Layer 1 w5.91: v1(632,-1293) 587.73,-1293 582.73,-1288 582.73,-1249.97 627.81,-1204.89 627.81,-805.37 674.83,-758.35 674.83,-733.27 v1(683.69,-724.41)
DUMMY_2_N: R69.2 R70.1 | length 719.7
  Component Side w5.91: R69.2@702.76,-1323.03 v1(702.76,-1298.09) ; R70.1@750.34,-768.5 771.57,-747.27 771.57,-734.25 769.6,-732.28 v1(762.71,-732.28)
  Signal Layer 1 w5.91: v1(702.76,-1298.09) 739.83,-1298.09 754.92,-1283 754.92,-927.62 728,-900.7 728,-809.57 771.57,-766 771.57,-741.14 v1(762.71,-732.28)
DUMMY_2_P: R67.2 R68.1 | length 718.8
  Component Side w5.91: v1(792.24,-732.28) 785.35,-732.28 783.38,-734.25 783.38,-747.27 R68.1@804.61,-768.5 ; R67.2@818.9,-1321.06 v1(818.9,-1296.12)
  Signal Layer 1 w5.91: v1(792.24,-732.28) 783.38,-741.14 783.38,-770.89 739.81,-814.46 739.81,-895.81 766.73,-922.73 766.73,-1283 779.85,-1296.12 v1(818.9,-1296.12)
DUMMY_3_N: R73.2 R74.1 | length 718.7
  Component Side w5.91: R74.1@858.89,-768.5 880.12,-747.27 v1@880.12,-738.19 ; R73.2@903.54,-1319.09 v1(903.54,-1294.15)
  Signal Layer 1 w5.91: v1(871.26,-734.25) 880.19,-743.18 880.19,-773.89 928.54,-822.24 928.54,-859.54 974.19,-905.19 974.19,-1121.63 955.71,-1140.11 955.71,-1281 942.56,-1294.15 v1(903.54,-1294.15)
DUMMY_3_P: R71.2 R72.1 | length 717.8
  Component Side w5.91: v1@891.93,-738.19 891.93,-747.27 R72.1@913.16,-768.5 ; R71.2@1019.68,-1317.13 v1(1019.68,-1292.18)
  Signal Layer 1 w5.91: v1(900.79,-734.25) 892,-743.04 892,-769 940.35,-817.35 940.35,-854.65 986,-900.3 986,-1126.52 967.52,-1145 967.52,-1281 978.7,-1292.18 v1(1019.68,-1292.18)
DUMMY_4_N: R77.2 R78.1 | length 784.8
  Component Side w5.91: R78.1@967.43,-768.5 990.16,-745.78 v1(990.16,-742.12) ; R77.2@1208.66,-1315.16 v1(1208.66,-1290.21)
  Signal Layer 1 w5.91: v1(990.16,-742.12) 990.45,-742.12 1013.04,-719.54 1042.54,-719.54 1068.35,-745.35 1068.35,-1089.65 1131.35,-1152.65 1131.35,-1229.65 1156.5,-1254.79 1156.5,-1277 1169.71,-1290.21 v1(1208.66,-1290.21)
DUMMY_4_P: R75.2 R76.1 | length 720.2
  Component Side w5.91: R76.1@1021.71,-768.5 v1@1021.71,-744.15 ; R75.2@1092.52,-1317.13 v1(1092.52,-1292.18)
  Signal Layer 1 w5.91: v1(1019.68,-742.12) 1030.46,-731.35 1037.65,-731.35 1056.54,-750.24 1056.54,-1094.54 1119.54,-1157.54 1119.54,-1234.54 1144.69,-1259.68 1144.69,-1277 1129.5,-1292.18 v1(1092.52,-1292.18)
ETH_A_N: M1.163 T1.4 | length 717.9
  Component Side w5.91: T1.4@-504.33,-2370.87 -454.74,-2370.87 -440.57,-2385.04 -425.2,-2385.04 -423.98,-2385.04 ccw(c-423.98,-2380.35) -419.29,-2380.35 cw(c-413.98,-2380.35) -413.98,-2375.04 -412.8,-2375.04 cw(c-412.8,-2380.35) -407.48,-2380.35 ccw(c-402.8,-2380.35) -402.8,-2385.04 -250,-2385.04 -197.02,-2385.04 -50.17,-2238.19 104.31,-2238.19 108.25,-2234.25 M1.163@133.86,-2234.25
ETH_A_P: M1.165 T1.3 | length 706.5
  Component Side w5.91: T1.3@-504.33,-2411.02 -454.74,-2411.02 -440.57,-2396.85 -192.13,-2396.85 -45.28,-2250 104.31,-2250 108.25,-2253.94 M1.165@133.86,-2253.94
ETH_B_N: M1.157 T1.6 | length 709.1
  Component Side w5.91: T1.6@-504.33,-2290.55 -454.74,-2290.55 -440.57,-2304.72 -429.13,-2304.72 -427.91,-2304.72 ccw(c-427.91,-2300.04) -423.23,-2300.04 cw(c-417.91,-2300.04) -417.91,-2294.72 -416.73,-2294.72 cw(c-416.73,-2300.04) -411.42,-2300.04 ccw(c-406.73,-2300.04) -406.73,-2304.72 -377.95,-2304.72 -224.97,-2304.72 -99.38,-2179.13 104.31,-2179.13 108.25,-2175.2 M1.157@133.86,-2175.2
ETH_B_P: M1.159 T1.5 | length 697.7
  Component Side w5.91: T1.5@-504.33,-2330.71 -454.74,-2330.71 -440.57,-2316.54 -220.08,-2316.54 -94.49,-2190.94 104.31,-2190.94 108.25,-2194.88 M1.159@133.86,-2194.88
ETH_C_N: M1.151 T1.8 | length 688.9
  Component Side w5.91: T1.8@-504.33,-2210.24 -454.74,-2210.24 -440.57,-2224.41 -243.08,-2224.41 -138.75,-2120.08 104.31,-2120.08 108.25,-2116.14 M1.151@133.86,-2116.14
ETH_C_P: M1.153 T1.7 | length 688.9
  Component Side w5.91: T1.7@-504.33,-2250.39 -454.74,-2250.39 -440.57,-2236.22 -238.19,-2236.22 -133.86,-2131.89 104.31,-2131.89 108.25,-2135.83 M1.153@133.86,-2135.83
ETH_D_N: M1.145 T1.10 | length 691.5
  Component Side w5.91: T1.10@-504.33,-2129.92 -454.74,-2129.92 -440.57,-2144.09 -425.2,-2144.09 -423.98,-2144.09 ccw(c-423.98,-2139.41) -419.29,-2139.41 cw(c-413.98,-2139.41) -413.98,-2134.09 -412.8,-2134.09 cw(c-412.8,-2139.41) -407.48,-2139.41 ccw(c-402.8,-2139.41) -402.8,-2144.09 -322.83,-2144.09 -265.13,-2144.09 -182.06,-2061.02 104.31,-2061.02 108.25,-2057.09 M1.145@133.86,-2057.09
ETH_D_P: M1.147 T1.9 | length 680.1
  Component Side w5.91: T1.9@-504.33,-2170.08 -454.74,-2170.08 -440.57,-2155.91 -260.24,-2155.91 -177.17,-2072.83 104.31,-2072.83 108.25,-2076.77 M1.147@133.86,-2076.77
ETH_LED1#: M1.149 T1.13 | length 713.9
  Component Side w5.91: T1.13@-504.33,-2009.45 -188.58,-2009.45 -162.6,-2035.43 v1@17.72,-2035.43 ; v1(13.78,-2096.46) M1.149@133.86,-2096.46
  Solder Side w5.91: v1(13.78,-2096.46) v1(13.78,-2035.43)
ETH_LED2#: M1.161 T1.2 | length 787.9
  Component Side w5.91: T1.2@-504.33,-2451.18 -134.65,-2451.18 v1(11.81,-2304.72) ; v1(13.78,-2214.57) M1.161@133.86,-2214.57
  Solder Side w5.91: v1(11.81,-2304.72) 11.81,-2216.54 v1(13.78,-2214.57)
FRAME_REQ_S1: J2.46 M3.101 | length 772.1
  Component Side w5.91: v1(816.93,547.24) 825.79,538.39 825.79,425.23 899.61,351.41 899.61,75 cw(c890.55,75) 890.55,65.94 887.01,65.94 ccw(c887.01,45.08) 866.14,45.08 866.14,37.6 ccw(c887.01,37.6) 887.01,16.73 890.55,16.73 cw(c890.55,7.68) 899.61,7.68 899.61,-33.48 895.67,-37.41 M3.101@895.67,-62.99
  Solder Side w5.91: J2.46@816.87,624.61 816.87,576.76 825.79,567.84 825.79,556.1 v1(816.93,547.24)
FRAME_REQ_S2: J2.21 M3.89 | length 768.7
  Component Side w5.91: M3.89@1013.78,-62.99 1013.78,-37.41 1009.84,-33.48 1009.84,107.84 1033.68,131.68 ccw(c1018.86,146.51) 1039.82,146.51 ccw(c1018.86,146.51) 1033.68,161.33 ; 1032.71,162.31 cw(c1039.18,168.78) 1032.7,175.25 1035.08,177.62 cw(c1041.55,171.14) 1048.02,177.62 1071.27,154.37 ccw(c1086.09,169.2) 1100.91,154.37 1103.28,156.74 ccw(c1088.46,171.56) 1109.42,171.56 ccw(c1088.46,171.56) 1103.28,186.39 1100.5,189.17 cw(c1105.17,193.83) 1100.5,198.5 1180,278 1317,278 1343.32,304.32 1343.32,319.88 v1(1352.18,328.74)
  Solder Side w5.91: 1342.58,336.67 1342.58,340.54 1352.42,350.38 J2.21@1352.42,399.02
FT_BS2: IC3.39 R107.1 R108.2 | length 5000.7
  Component Side w5.91: IC3.39@-579.1,731.34 -579.1,685.1 v1(-560,666) ; v1(1393.7,-2854.33) 1393.7,-2852.36 1391.73,-2850.39 1391.73,-3072 1418.72,-3098.99 R108.2@1440,-3099
  Signal Layer 1 w5.91: v1@-560,656 -560,578 -470.96,488.96 -470.96,258.67 -354.3,142 -145,142 -33.15,30.15 -33.15,-293.62 v1(49.21,-375.98)
  Solder Side w5.91: v1(49.21,-375.98) 49.21,-404.56 158.44,-513.78 345.44,-513.78 452.76,-621.09 452.76,-1314.96 490.19,-1352.39 490.19,-1494.12 529.53,-1533.46 618.11,-1533.46 992.13,-1907.48 992.13,-2517.72 1328.74,-2854.33 v1(1393.7,-2854.33)
FT_BS3: IC3.40 R109.1 R110.2 | length 5014.7
  Component Side w5.91: v1@-600,658 v1(-600,666) ; v1@-598.79,666 IC3.40@-598.79,731.34 ; v1@1450.79,-2858.27 1464.57,-2872.05 1464.57,-2913 1486.57,-2935 1523,-2935 1539.9,-2951.9 R110.2@1539.9,-2990
  Signal Layer 1 w5.91: v1(-600,666) -571.81,637.81 -571.81,573.11 -482.78,484.07 -482.78,253.78 -359.19,130.19 -149.89,130.19 -44.96,25.26 -44.96,-298.51 21.19,-364.66 21.19,-393.24 v1(25.59,-397.64)
  Solder Side w5.91: v1(25.59,-397.64) 153.54,-525.59 340.55,-525.59 440.94,-625.98 440.94,-1319.85 478.38,-1357.28 478.38,-1499.02 524.64,-1545.28 613.22,-1545.28 980.32,-1912.37 980.32,-2522.61 1333.69,-2875.98 1433.07,-2875.98 v1@1450.79,-2858.27
  other v1: 1450.79,-2854.33
GBT_CLK0_M2C_C_N: C48.1 IC6.5 | length 99.3
  Component Side w5.91: IC6.5@1765.75,259.84 1765.75,295.26 1784.84,314.36 1784.84,322.83 1784.63,323.05 1784.63,324.42 C48.1@1765.75,343.31
GBT_CLK0_M2C_C_P: C47.1 IC6.4 | length 97.5
  Component Side w5.91: C47.1@1811.02,343.31 1796.44,328.73 1796.44,327.94 1796.65,327.73 1796.65,314.36 1815.75,295.26 IC6.4@1815.75,259.84
GBT_CLK0_M2C_N: C48.2 M3.6 | length 947.4
  Component Side w5.91: C48.2@1765.75,381.1 1782.48,397.83 1782.48,422.24 v1(1773.62,431.1) ; v1(1835.63,-340.55) 1842.52,-340.55 1844.49,-338.58 1844.49,-297.26 1840.55,-293.32 M3.6@1840.55,-267.72
  Power Plane w5.91: v1(1773.62,431.1) 1782.48,422.24 1782.48,103.35 1844.49,41.34 1844.49,-331.69 v1(1835.63,-340.55)
GBT_CLK0_M2C_P: C47.2 M3.4 | length 947.4
  Component Side w5.91: v1(1803.15,431.1) 1794.29,422.24 1794.29,397.83 C47.2@1811.02,381.1 ; M3.4@1860.24,-267.72 1860.24,-293.32 1856.3,-297.26 1856.3,-338.58 1858.27,-340.55 v1(1865.16,-340.55)
  Power Plane w5.91: v1(1803.15,431.1) 1794.29,422.24 1794.29,108.24 1856.3,46.23 1856.3,-331.69 v1(1865.16,-340.55)